# Allegro board 6089-119-RevA_41.brd (continued)
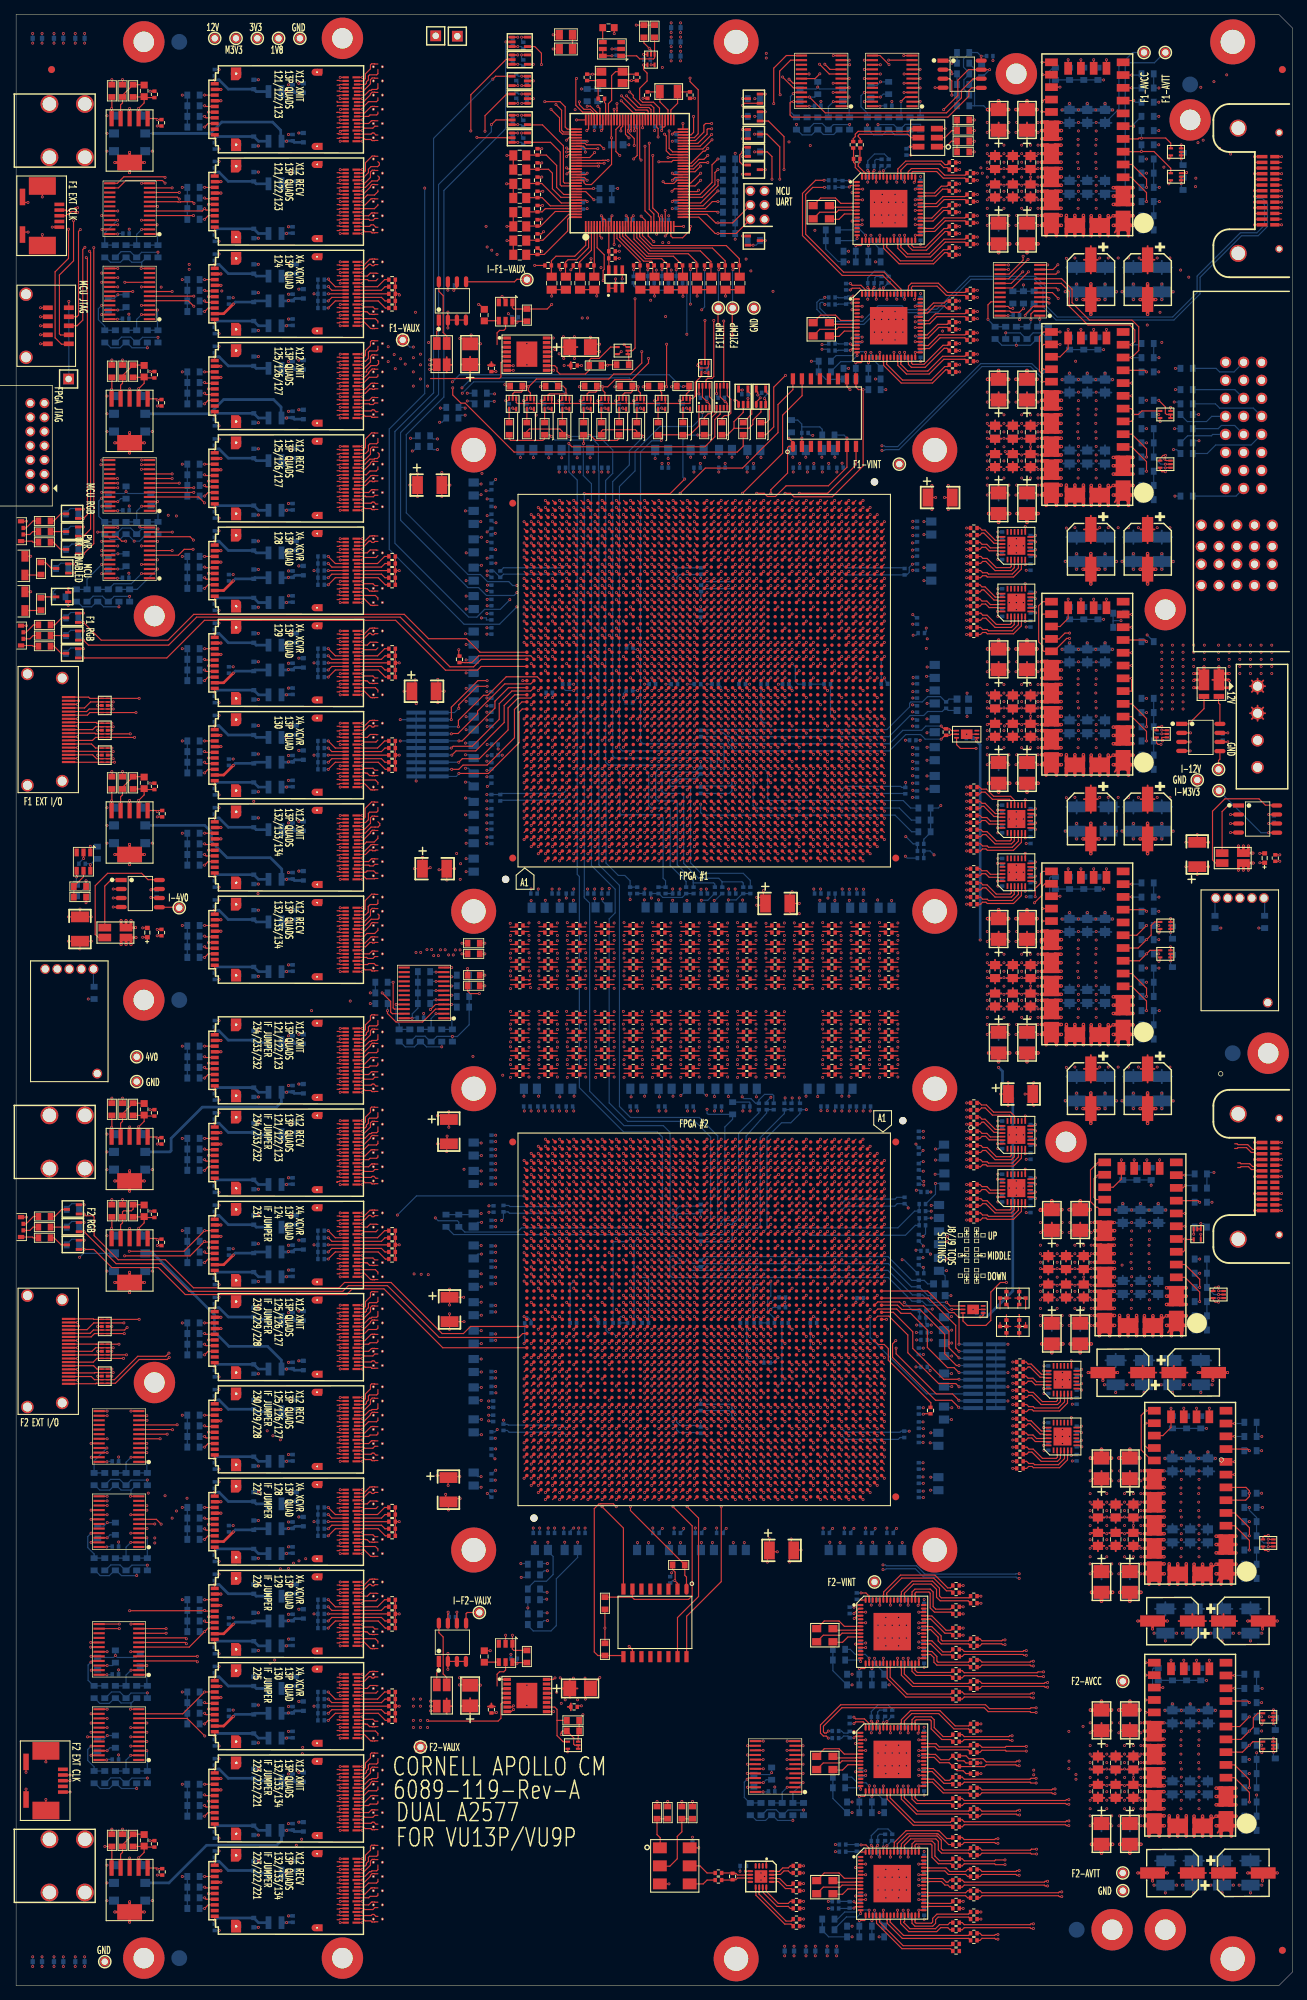
[diagram p0: board, top side]
## Routing (per net, layer and track width the routed paths; a pad name or vN(x,y) marks a point on that pad's centre or on a via; arc(x,y) is an arc through that point) (continued)
PF2_FF1_XMIT6: length 81.7
  TOP w0.165: U34A.B9 45.65,130.9 45.56,130.81 45.25,130.81 ; U77.BJ41 73.61,78.51
  SIG1 w0.083: 45.25,130.81 45.45,131.01 arc(45.48,131.03) 45.51,131.04 48.81,131.04 arc(49.15,131.1) 49.45,131.3 arc(49.49,131.33) 49.54,131.34 50.37,131.34 arc(51.42,131.13) 52.31,130.54 63.32,119.53 arc(64.48,117.79) 64.89,115.74 64.89,79.8 arc(65.04,79.07) 65.45,78.45 69.32,74.58 arc(70.07,74.08) 70.96,73.9 73.65,73.9 arc(74.04,74.06) 74.2,74.45 74.2,77.69 arc(74.08,77.99) 73.77,78.11 73.69,78.11 arc(73.63,78.14) 73.61,78.2 73.61,78.51
PF2_FF1_XMIT7: length 78.3
  TOP w0.165: 51,132.02 51,131.67 50.8,131.47 49.68,131.47 49.1,130.9 U34A.A9 48,130.9 ; U77.BG41 75.61,78.51
  SIG2 w0.083: 51,132.02 51.64,132.02 arc(51.77,132.04) 51.88,132.12 52,132.24 52.05,132.24 arc(52.08,132.25) 52.11,132.26 52.11,132.27 arc(52.14,132.29) 52.17,132.3 52.33,132.3 arc(53.05,132.15) 53.66,131.74 58.01,127.39 arc(58.51,126.64) 58.69,125.75 58.69,110.33 arc(58.9,109.29) 59.48,108.42 65.41,102.49 arc(65.84,101.85) 65.99,101.09 65.99,79.83 arc(66.07,79.44) 66.28,79.12 68.99,76.42 arc(69.57,76.03) 70.26,75.89 72.62,75.89 arc(73.04,76.06) 73.21,76.48 arc(73.21,76.49) 73.21,76.5 73.21,76.56 arc(73.31,76.8) 73.55,76.9 75.8,76.9 arc(76.12,77.03) 76.25,77.35 76.25,77.64 arc(76.11,77.97) 75.77,78.11 75.69,78.11 arc(75.63,78.14) 75.61,78.2 75.61,78.51
PF2_FF1_XMIT8: length 79.1
  TOP w0.165: U34A.B6 45.65,132.4 45.56,132.31 45.25,132.31 ; U77.BK43 72.61,76.51
  SIG1 w0.083: 72.61,76.51 72.61,76.2 arc(72.63,76.14) 72.69,76.11 72.77,76.11 arc(73.11,75.97) 73.25,75.64 73.25,75.35 arc(73.12,75.03) 72.8,74.9 71.46,74.9 arc(70.57,75.08) 69.82,75.58 66.24,79.16 arc(66.06,79.43) 66,79.74 66,118.45 arc(65.84,119.24) 65.4,119.9 52.88,132.42 arc(51.92,133.06) 50.78,133.29 50.19,133.29 arc(49.82,133.22) 49.5,133 arc(48.98,132.66) 48.37,132.54 45.51,132.54 arc(45.48,132.53) 45.45,132.51 45.25,132.31
PF2_FF1_XMIT9: length 74.6
  TOP w0.165: 51,134.02 51,133.37 50.83,133.2 50.17,133.2 50.04,133.07 49.82,133.07 49.15,132.4 U34A.A6 48.05,132.4 ; U77.BL41 71.61,78.51
  SIG2 w0.083: 71.61,78.51 71.61,78.2 arc(71.63,78.14) 71.69,78.11 71.77,78.11 arc(72.11,77.97) 72.25,77.64 72.25,77.35 arc(72.12,77.03) 71.8,76.9 71.06,76.9 arc(70.27,77.06) 69.6,77.5 67.61,79.49 arc(67.15,80.18) 66.99,80.99 66.99,103.38 arc(66.86,104.06) 66.47,104.63 60.66,110.44 arc(60.2,111.13) 60.04,111.94 60.04,126.5 arc(59.88,127.29) 59.43,127.97 53.72,133.68 arc(53.04,134.13) 52.23,134.3 52.17,134.3 arc(52.14,134.29) 52.11,134.27 52.11,134.26 arc(52.08,134.25) 52.05,134.24 52,134.24 51.88,134.12 arc(51.77,134.04) 51.64,134.02 51,134.02
PF2_FF1_XMIT10: length 76.8
  TOP w0.165: U77.BK39 72.61,80.51 ; U34A.B3 45.65,133.9 45.56,133.81 45.25,133.81
  SIG1 w0.083: 45.25,133.81 45.45,134.01 arc(45.48,134.03) 45.51,134.04 47.9,134.04 arc(48.9,134.23) 49.75,134.8 arc(50.18,135.09) 50.69,135.19 50.78,135.19 arc(51.92,134.96) 52.88,134.32 66.07,121.13 arc(66.76,120.1) 67,118.89 67,83.76 arc(67.16,82.97) 67.61,82.29 70.56,79.34 arc(71.05,79.02) 71.63,78.9 72.8,78.9 arc(73.12,79.03) 73.25,79.35 73.25,79.64 arc(73.11,79.97) 72.77,80.11 72.69,80.11 arc(72.63,80.14) 72.61,80.2 72.61,80.51
PF2_FF1_XMIT11: length 72.8
  TOP w0.165: U34A.A3 49.21,133.9 49.38,134.07 49.38,134.26 49.66,134.55 49.66,135.09 49.83,135.25 50.83,135.25 51,135.42 51,136.02 ; U77.BL37 71.61,82.51
  SIG2 w0.083: 71.61,82.51 71.61,82.2 arc(71.63,82.14) 71.69,82.11 71.77,82.11 arc(72.11,81.97) 72.25,81.64 72.25,81.35 arc(72.12,81.03) 71.8,80.9 71.53,80.9 arc(70.95,81.02) 70.46,81.34 68.68,83.12 arc(68.18,83.87) 68,84.76 68,104.07 arc(67.94,104.38) 67.77,104.63 65.39,107.01 62.37,110.03 arc(61.73,110.99) 61.5,112.13 61.5,126.91 arc(61.32,127.82) 60.8,128.6 53.66,135.74 arc(53.05,136.15) 52.33,136.3 52.17,136.3 arc(52.14,136.29) 52.11,136.27 52.11,136.26 arc(52.08,136.25) 52.05,136.24 52,136.24 51.88,136.12 arc(51.77,136.04) 51.64,136.02 51,136.02
PF2_FF2_RECV0: length 67.2
  TOP w0.165: U77.AF48 97.39,71.51 ; 51,74.02 50.57,74.02 50.54,73.99 50.19,73.99 50.16,74.02 50.14,74.02 50.01,74.15 49.2,74.15 48.95,74.4 U38A.A18
  SIG2 w0.083: 97.39,71.51 97.39,71.2 arc(97.42,71.14) 97.47,71.11 97.56,71.11 arc(97.83,71.02) 97.99,70.77 97.99,69.66 97.99,68.58 arc(97.77,67.48) 97.14,66.54 90.18,59.58 arc(89.43,59.08) 88.54,58.9 64.43,58.9 arc(63.75,59.03) 63.19,59.41 62.2,60.4 62.2,60.41 61.09,61.52 arc(60.69,62.11) 60.55,62.81 60.55,65.23 arc(60.34,66.26) 59.76,67.14 52.78,74.12 arc(52.68,74.2) 52.56,74.27 arc(52.52,74.29) 52.48,74.29 52.19,74.29 arc(52.15,74.29) 52.11,74.3 arc(52.07,74.29) 52.03,74.27 51.88,74.12 arc(51.77,74.04) 51.64,74.02 51,74.02
PF2_FF2_RECV1: length 68.2
  TOP w0.165: U38A.B18 45.65,74.4 45.56,74.31 45.25,74.31 ; U77.AG50 95.61,69.51
  SIG4 w0.083: 45.25,74.31 45.45,74.51 arc(45.48,74.53) 45.51,74.54 48.35,74.54 arc(48.92,74.42) 49.4,74.1 49.54,73.97 arc(50.23,73.5) 51.05,73.34 51.96,73.34 arc(52.51,73.23) 52.99,72.91 58.09,67.81 arc(58.76,66.8) 59,65.61 59,63.79 arc(59.27,62.41) 60.05,61.25 62.7,58.6 arc(63.48,58.08) 64.39,57.9 85.84,57.9 arc(86.91,58.11) 87.82,58.72 95.43,66.33 arc(96.04,67.24) 96.25,68.31 96.25,68.64 arc(96.11,68.97) 95.77,69.11 95.69,69.11 arc(95.63,69.14) 95.61,69.2 95.61,69.51
PF2_FF2_RECV2: length 70.5
  TOP w0.165: U77.AH48 94.61,71.51 ; U38A.A15 48.95,75.9 49.1,75.75 50.29,75.75 50.57,76.02 51,76.02
  SIG3 w0.083: 51,76.02 51.64,76.02 arc(51.77,76.04) 51.88,76.12 52,76.24 52.05,76.24 arc(52.08,76.25) 52.11,76.26 52.11,76.27 arc(52.14,76.29) 52.17,76.3 52.37,76.3 arc(53.01,76.17) 53.55,75.81 53.93,75.42 arc(54.35,74.79) 54.5,74.05 54.5,66.96 arc(54.79,65.52) 55.6,64.3 61.99,57.91 arc(63.11,57.16) 64.42,56.9 85.07,56.9 arc(85.93,57.07) 86.66,57.56 94.39,65.29 arc(95.03,66.24) 95.25,67.37 95.25,70.64 arc(95.11,70.97) 94.77,71.11 94.69,71.11 arc(94.63,71.14) 94.61,71.2 94.61,71.51
PF2_FF2_RECV3: length 66.5
  TOP w0.165: U38A.B15 45.65,75.9 45.56,75.81 45.25,75.81 ; U77.AJ50 93.61,69.51
  SIG4 w0.083: 93.61,69.51 93.61,69.2 arc(93.63,69.14) 93.69,69.11 93.77,69.11 arc(94.11,68.97) 94.25,68.64 94.25,67.95 arc(94.01,66.75) 93.33,65.73 87.32,59.72 arc(86.41,59.11) 85.34,58.9 64.4,58.9 arc(63.75,59.03) 63.2,59.4 62.17,60.43 60.79,61.81 arc(60.21,62.69) 60,63.72 60,66.02 arc(59.75,67.29) 59.02,68.38 52.7,74.7 arc(52.05,75.14) 51.27,75.29 50.39,75.29 arc(49.72,75.42) 49.15,75.8 arc(48.89,75.97) 48.59,76.04 45.51,76.04 arc(45.48,76.03) 45.45,76.01 45.25,75.81
PF2_FF2_RECV4: length 68.5
  TOP w0.165: U77.AK48 92.61,71.51 ; 51,78.02 51,77.77 50.83,77.61 49.9,77.61 49.69,77.4 U38A.A12 48.05,77.4
  SIG3 w0.083: 92.61,71.51 92.61,71.2 arc(92.63,71.14) 92.69,71.11 92.77,71.11 arc(93.11,70.97) 93.25,70.64 93.25,67.85 arc(93.12,67.2) 92.76,66.66 84.79,58.69 arc(83.91,58.11) 82.88,57.9 64.49,57.9 arc(63.48,58.1) 62.63,58.67 62.63,58.67 56.27,65.03 arc(55.7,65.88) 55.5,66.89 55.5,75.04 arc(55.38,75.65) 55.03,76.17 53.4,77.81 arc(52.86,78.17) 52.22,78.3 52.17,78.3 arc(52.14,78.29) 52.11,78.27 52.11,78.26 arc(52.08,78.25) 52.05,78.24 52,78.24 51.88,78.12 arc(51.77,78.04) 51.64,78.02 51,78.02
PF2_FF2_RECV5: length 62.1
  TOP w0.165: 45.25,77.31 45.56,77.31 45.65,77.4 U38A.B12 ; U77.AL50 91.61,69.51
  SIG4 w0.083: 91.61,69.51 91.61,69.2 arc(91.63,69.14) 91.69,69.11 91.77,69.11 arc(92.11,68.97) 92.25,68.64 92.25,67.18 arc(92.06,66.23) 91.53,65.43 86.66,60.56 arc(85.93,60.07) 85.07,59.9 70.22,59.9 arc(69.09,60.12) 68.14,60.76 66.62,62.28 66.62,62.28 65.38,63.52 65.38,63.52 65.32,63.58 52.25,76.65 arc(51.6,77.09) 50.82,77.24 49.61,77.24 arc(49.34,77.3) 49.1,77.45 arc(49.01,77.51) 48.9,77.54 45.51,77.54 arc(45.48,77.53) 45.45,77.51 45.25,77.31
PF2_FF2_RECV6: length 67.5
  TOP w0.165: U77.AM48 90.61,71.51 ; 48,78.9 U38A.A9 49.1,78.9 49.68,79.47 50.8,79.47 51,79.67 51,80.02
  SIG3 w0.083: 90.61,71.51 90.61,71.2 arc(90.63,71.14) 90.69,71.11 90.77,71.11 arc(91.11,70.97) 91.25,70.64 91.25,67.68 arc(91.06,66.73) 90.53,65.93 84.22,59.62 82.64,58.93 82.6,58.9 64.38,58.9 64.35,58.88 64.3,58.9 64.25,58.9 64.22,58.93 63.41,59.24 63.36,59.24 63.33,59.27 63.3,59.28 63.28,59.32 62.23,60.37 62.14,60.46 59.69,62.91 58.08,64.52 57.27,65.33 arc(56.8,65.97) 56.54,66.73 56.5,66.75 56.5,75.43 arc(56.29,76.47) 55.7,77.35 53.15,79.9 arc(52.72,80.19) 52.2,80.3 52.17,80.3 arc(52.14,80.29) 52.11,80.27 52.11,80.26 arc(52.08,80.25) 52.05,80.24 52,80.24 51.88,80.12 arc(51.77,80.04) 51.64,80.02 51,80.02
PF2_FF2_RECV7: length 60.7
  TOP w0.165: 45.25,78.81 45.56,78.81 45.65,78.9 U38A.B9 ; U77.AN50 89.61,69.51
  SIG4 w0.083: 89.61,69.51 89.61,69.2 arc(89.63,69.14) 89.69,69.11 89.77,69.11 arc(90.11,68.97) 90.25,68.64 90.25,67 arc(90,65.75) 89.29,64.69 86.32,61.72 arc(85.41,61.11) 84.34,60.9 70.39,60.9 arc(69.57,61.06) 68.87,61.53 52.81,77.59 arc(52.69,77.77) 52.65,77.98 52.65,77.99 arc(52.6,78.23) 52.46,78.44 51.9,79.01 arc(51.53,79.25) 51.09,79.34 49.54,79.34 arc(49.49,79.33) 49.45,79.3 arc(49.15,79.1) 48.81,79.04 45.51,79.04 arc(45.48,79.03) 45.45,79.01 45.25,78.81
PF2_FF2_RECV8: length 62.7
  TOP w0.165: 48.05,80.4 U38A.A6 49.15,80.4 49.82,81.07 50.04,81.07 50.17,81.2 50.83,81.2 51,81.37 51,82.02 ; U77.AP48 88.61,71.51
  SIG3 w0.083: 88.61,71.51 88.61,71.2 arc(88.63,71.14) 88.69,71.11 88.77,71.11 arc(89.11,70.97) 89.25,70.64 89.25,68.91 arc(89.02,67.75) 88.36,66.76 82.06,60.46 arc(81.44,60.05) 80.71,59.9 70.38,59.9 arc(69.11,60.15) 68.03,60.87 66.62,62.28 65.38,63.52 58.1,70.8 arc(57.66,71.47) 57.5,72.26 57.5,76.8 arc(57.35,77.54) 56.93,78.17 53.13,81.97 arc(52.77,82.21) 52.35,82.3 52.17,82.3 arc(52.14,82.29) 52.11,82.27 52.11,82.26 arc(52.08,82.25) 52.05,82.24 52,82.24 51.88,82.12 arc(51.77,82.04) 51.64,82.02 51,82.02
PF2_FF2_RECV9: length 59.5
  TOP w0.165: U38A.B6 45.65,80.4 45.56,80.31 45.25,80.31 ; U77.AR50 87.61,69.51
  SIG4 w0.083: 45.25,80.31 45.45,80.51 arc(45.48,80.53) 45.51,80.54 48.37,80.54 arc(48.98,80.66) 49.5,81 arc(49.82,81.22) 50.19,81.29 51.4,81.29 arc(52.01,81.17) 52.53,80.82 53.15,80.2 arc(53.41,79.81) 53.5,79.36 53.5,78.86 arc(53.59,78.44) 53.83,78.07 68.97,62.93 arc(70.11,62.17) 71.45,61.9 83.84,61.9 arc(84.91,62.11) 85.82,62.72 87.43,64.33 arc(88.04,65.24) 88.25,66.31 88.25,68.64 arc(88.11,68.97) 87.77,69.11 87.69,69.11 arc(87.63,69.14) 87.61,69.2 87.61,69.51
PF2_FF2_RECV10: length 62
  TOP w0.165: U77.AT48 86.61,71.51 ; 48,81.9 U38A.A3 49.21,81.9 49.38,82.07 49.38,82.26 49.66,82.55 49.66,83.09 49.83,83.25 50.83,83.25 51,83.42 51,84.02
  SIG3 w0.083: 86.61,71.51 86.61,71.2 arc(86.63,71.14) 86.69,71.11 86.77,71.11 arc(87.11,70.97) 87.25,70.64 87.25,67.81 arc(87.13,67.2) 86.79,66.69 81.56,61.46 arc(80.94,61.05) 80.21,60.9 71.21,60.9 arc(69.63,61.21) 68.3,62.1 58.94,71.46 arc(58.61,71.95) 58.5,72.53 58.5,77.76 arc(58.34,78.59) 57.87,79.29 53.18,83.97 arc(52.82,84.21) 52.4,84.3 52.17,84.3 arc(52.14,84.29) 52.11,84.27 52.11,84.26 arc(52.08,84.25) 52.05,84.24 52,84.24 51.88,84.12 arc(51.77,84.04) 51.64,84.02 51,84.02
PF2_FF2_RECV11: length 58.3
  TOP w0.165: U77.AU50 85.61,69.51 ; 45.25,81.81 45.56,81.81 45.65,81.9 U38A.B3
  SIG4 w0.083: 85.61,69.51 85.61,69.2 arc(85.63,69.14) 85.69,69.11 85.77,69.11 arc(86.11,68.97) 86.25,68.64 86.25,65.58 arc(86.08,64.72) 85.59,63.99 85.16,63.56 arc(84.43,63.07) 83.57,62.9 71.49,62.9 arc(70.58,63.08) 69.8,63.6 54.83,78.57 arc(54.59,78.94) 54.5,79.36 54.5,80.51 arc(54.41,80.96) 54.15,81.35 52.87,82.63 arc(52.25,83.04) 51.51,83.19 50.69,83.19 arc(50.18,83.09) 49.75,82.8 arc(48.9,82.23) 47.9,82.04 45.51,82.04 arc(45.48,82.03) 45.45,82.01 45.25,81.81
PF2_FF2_XMIT0: length 87.8
  TOP w0.165: U37A.B18 45.65,87.4 45.56,87.31 45.25,87.31 ; U77.AF43 97.39,76.51
  SIG1 w0.083: 97.39,76.51 97.39,76.2 arc(97.42,76.14) 97.47,76.11 97.56,76.11 arc(97.87,75.98) 98,75.67 98,69 arc(97.71,67.52) 96.87,66.27 90.2,59.6 arc(89.42,59.08) 88.5,58.9 64.33,58.9 arc(63.75,59.02) 63.25,59.35 55.07,67.53 arc(53.87,69.32) 53.45,71.44 53.45,84.14 arc(53.33,84.75) 52.99,85.26 52.45,85.8 arc(51.85,86.2) 51.15,86.34 51.05,86.34 arc(50.23,86.5) 49.54,86.97 49.4,87.1 arc(48.92,87.42) 48.35,87.54 45.51,87.54 arc(45.48,87.53) 45.45,87.51 45.25,87.31
PF2_FF2_XMIT1: length 77.1
  TOP w0.165: 51,87.02 50.57,87.02 50.54,86.99 50.19,86.99 50.16,87.02 50.14,87.02 50.01,87.15 49.2,87.15 48.95,87.4 U37A.A18 ; U77.AG45 95.61,74.51
  SIG2 w0.083: 95.61,74.51 95.61,74.2 arc(95.63,74.14) 95.69,74.11 95.77,74.11 arc(96.11,73.97) 96.25,73.64 96.25,68.01 arc(96.09,67.22) 95.64,66.54 89.79,60.69 89.79,60.69 arc(88.86,60.07) 87.76,59.85 70.52,59.85 arc(69.17,60.12) 68.01,60.89 66.81,62.1 66.75,62.16 66.69,62.22 66.62,62.28 65.38,63.52 55.11,73.79 arc(54.65,74.48) 54.49,75.29 54.49,85.02 arc(54.39,85.52) 54.11,85.94 53.07,86.98 arc(52.72,87.21) 52.3,87.3 52.17,87.3 arc(52.14,87.29) 52.11,87.27 52.11,87.26 arc(52.08,87.25) 52.05,87.24 52,87.24 51.88,87.12 arc(51.77,87.04) 51.64,87.02 51,87.02
PF2_FF2_XMIT2: length 80.6
  TOP w0.165: U77.AH43 94.61,76.51 ; U37A.B15 45.65,88.9 45.56,88.81 45.25,88.81
  SIG1 w0.083: 94.61,76.51 94.61,76.2 arc(94.63,76.14) 94.69,76.11 94.77,76.11 arc(95.11,75.97) 95.25,75.64 95.25,67.44 arc(95.01,66.25) 94.34,65.24 92.87,63.77 arc(91.91,63.13) 90.77,62.9 66.82,62.9 arc(66.07,63.05) 65.43,63.47 65.35,63.56 65.34,63.56 55.44,73.46 arc(54.74,74.5) 54.5,75.73 54.5,84.47 arc(54.3,85.47) 53.74,86.31 52.4,87.65 arc(51.69,88.12) 50.86,88.29 50.39,88.29 arc(49.72,88.42) 49.15,88.8 arc(48.89,88.97) 48.59,89.04 45.51,89.04 arc(45.48,89.03) 45.45,89.01 45.25,88.81
PF2_FF2_XMIT3: length 75.6
  TOP w0.165: 51,89.02 50.57,89.02 50.29,88.75 49.1,88.75 48.95,88.9 U37A.A15 ; U77.AJ45 93.61,74.51
  SIG2 w0.083: 51,89.02 51.64,89.02 arc(51.77,89.04) 51.88,89.12 52,89.24 52.05,89.24 arc(52.08,89.25) 52.11,89.26 52.11,89.27 arc(52.14,89.29) 52.17,89.3 52.3,89.3 arc(52.72,89.21) 53.07,88.98 54.88,87.17 arc(55.33,86.49) 55.49,85.7 55.49,75.79 arc(55.65,74.98) 56.11,74.29 68.53,61.87 arc(69.61,61.15) 70.88,60.9 87.27,60.9 arc(88.41,61.13) 89.37,61.77 93.41,65.81 93.41,65.81 arc(94.03,66.74) 94.25,67.84 94.25,73.64 arc(94.11,73.97) 93.77,74.11 93.69,74.11 arc(93.63,74.14) 93.61,74.2 93.61,74.51
PF2_FF2_XMIT4: length 78.3
  TOP w0.165: U77.AK43 92.61,76.51 ; U37A.B12 45.65,90.4 45.56,90.31 45.25,90.31
  SIG1 w0.083: 92.61,76.51 92.61,76.2 arc(92.63,76.14) 92.69,76.11 92.77,76.11 arc(93.11,75.97) 93.25,75.64 93.25,67.91 arc(93.1,67.17) 92.68,66.53 90.39,64.24 arc(90.01,63.99) 89.56,63.9 67.36,63.9 arc(66.57,64.06) 65.89,64.51 56.44,73.96 arc(55.74,75) 55.5,76.23 55.5,85.47 arc(55.3,86.47) 54.73,87.32 52.52,89.53 arc(51.74,90.06) 50.81,90.24 49.61,90.24 arc(49.34,90.3) 49.1,90.45 arc(49.01,90.51) 48.9,90.54 45.51,90.54 arc(45.48,90.53) 45.45,90.51 45.25,90.31
PF2_FF2_XMIT5: length 73.6
  TOP w0.165: 51,91.02 51,90.77 50.83,90.61 49.9,90.61 49.69,90.4 U37A.A12 48.05,90.4 ; U77.AL45 91.61,74.51
  SIG2 w0.083: 91.61,74.51 91.61,74.2 arc(91.63,74.14) 91.69,74.11 91.77,74.11 arc(92.11,73.97) 92.25,73.64 92.25,68.32 arc(92.13,67.7) 91.78,67.18 87.51,62.91 arc(86.39,62.16) 85.08,61.9 71.24,61.9 arc(70.1,62.13) 69.13,62.78 57.7,74.21 arc(57.22,74.8) 56.87,75.48 56.72,75.85 arc(56.55,76.44) 56.49,77.05 56.49,86.85 arc(56.33,87.64) 55.88,88.32 53.39,90.81 arc(52.85,91.17) 52.22,91.3 52.17,91.3 arc(52.14,91.29) 52.11,91.27 52.11,91.26 arc(52.08,91.25) 52.05,91.24 52,91.24 51.88,91.12 arc(51.77,91.04) 51.64,91.02 51,91.02
PF2_FF2_XMIT6: length 76.8
  TOP w0.165: U77.AM43 90.61,76.51 ; 45.25,91.81 45.56,91.81 45.65,91.9 U37A.B9
  SIG1 w0.083: 90.61,76.51 90.61,76.2 arc(90.63,76.14) 90.69,76.11 90.77,76.11 arc(91.11,75.97) 91.25,75.64 91.25,67.7 arc(91.06,66.73) 90.51,65.91 90.14,65.54 arc(89.43,65.07) 88.6,64.9 67.86,64.9 arc(67.07,65.06) 66.39,65.51 57.6,74.3 arc(56.79,75.52) 56.5,76.96 56.5,86.66 arc(56.32,87.58) 55.8,88.36 52.52,91.63 arc(51.74,92.16) 50.81,92.34 49.54,92.34 arc(49.49,92.33) 49.45,92.3 arc(49.15,92.1) 48.81,92.04 45.51,92.04 arc(45.48,92.03) 45.45,92.01 45.25,91.81
PF2_FF2_XMIT7: length 72.1
  TOP w0.165: 48,91.9 U37A.A9 49.1,91.9 49.68,92.47 50.8,92.47 51,92.67 51,93.02 ; U77.AN45 89.61,74.51
  SIG2 w0.083: 51,93.02 51.64,93.02 arc(51.77,93.04) 51.88,93.12 52,93.24 52.05,93.24 arc(52.08,93.25) 52.11,93.26 52.11,93.27 arc(52.14,93.29) 52.17,93.3 52.55,93.3 arc(52.97,93.21) 53.32,92.98 56.88,89.42 arc(57.33,88.74) 57.49,87.95 57.49,77.45 arc(57.54,76.94) 57.68,76.44 57.77,76.22 arc(58.2,75.37) 58.79,74.62 58.79,74.62 69.49,63.91 arc(70.61,63.16) 71.94,62.9 83.92,62.9 arc(85.1,63.13) 86.1,63.8 89.59,67.3 arc(90.09,68.04) 90.26,68.91 90.26,73.71 90.24,73.73 arc(90.07,74.01) 89.77,74.11 89.69,74.11 arc(89.63,74.14) 89.61,74.2 89.61,74.51
PF2_FF2_XMIT8: length 74.1
  TOP w0.165: U77.AP43 88.61,76.51 ; U37A.B6 45.65,93.4 45.56,93.31 45.25,93.31
  SIG1 w0.083: 45.25,93.31 45.45,93.51 arc(45.48,93.53) 45.51,93.54 48.37,93.54 arc(48.98,93.66) 49.5,94 arc(49.82,94.22) 50.19,94.29 50.72,94.29 arc(51.87,94.06) 52.84,93.41 56.8,89.46 arc(57.32,88.68) 57.5,87.76 57.5,77.69 arc(57.83,76.04) 58.77,74.63 66.25,67.15 arc(66.76,66.81) 67.36,66.69 87.43,66.69 arc(87.48,66.69) 87.54,66.7 arc(88.22,66.88) 88.82,67.23 arc(88.87,67.27) 88.91,67.31 arc(89.16,67.71) 89.25,68.18 89.25,75.64 arc(89.11,75.97) 88.77,76.11 88.69,76.11 arc(88.63,76.14) 88.61,76.2 88.61,76.51
PF2_FF2_XMIT9: length 70.7
  TOP w0.165: 51,95.02 51,94.37 50.83,94.2 50.17,94.2 50.04,94.07 49.82,94.07 49.15,93.4 U37A.A6 48.05,93.4 ; U77.AR45 87.61,74.51
  SIG2 w0.083: 51,95.02 51.64,95.02 arc(51.77,95.04) 51.88,95.12 52,95.24 52.05,95.24 arc(52.08,95.25) 52.11,95.26 52.11,95.27 arc(52.14,95.29) 52.17,95.3 52.3,95.3 arc(52.72,95.21) 53.07,94.98 58.04,90.01 arc(58.37,89.51) 58.49,88.93 58.49,77.2 arc(58.63,76.47) 59.04,75.86 70.2,64.71 arc(71.09,64.11) 72.15,63.9 83.02,63.9 85.07,64.71 87.76,67.41 arc(88.12,67.95) 88.25,68.59 88.25,73.64 arc(88.11,73.97) 87.77,74.11 87.69,74.11 arc(87.63,74.14) 87.61,74.2 87.61,74.51
PF2_FF2_XMIT10: length 71.8
  TOP w0.165: U77.AT43 86.61,76.51 ; 45.25,94.81 45.56,94.81 45.65,94.9 U37A.B3
  SIG1 w0.083: 86.61,76.51 86.61,76.2 arc(86.63,76.14) 86.69,76.11 86.77,76.11 arc(87.11,75.97) 87.25,75.64 87.25,68.65 arc(87.19,68.37) 87.04,68.14 87.01,68.11 arc(86.78,67.96) 86.5,67.9 67.73,67.9 arc(67.06,68.03) 66.49,68.41 59.6,75.3 arc(58.79,76.52) 58.5,77.96 58.5,88.47 arc(58.3,89.47) 57.73,90.32 52.64,95.41 arc(51.78,95.99) 50.76,96.19 50.69,96.19 arc(50.18,96.09) 49.75,95.8 arc(48.9,95.23) 47.9,95.04 45.51,95.04 arc(45.48,95.03) 45.45,95.01 45.25,94.81
PF2_FF2_XMIT11: length 69.7
  TOP w0.165: 48,94.9 U37A.A3 49.21,94.9 49.38,95.07 49.38,95.26 49.66,95.55 49.66,96.09 49.83,96.25 50.83,96.25 51,96.42 51,97.02 ; U77.AU45 85.61,74.51
  SIG2 w0.083: 51,97.02 51.64,97.02 arc(51.77,97.04) 51.88,97.12 52,97.24 52.05,97.24 arc(52.08,97.25) 52.11,97.26 52.11,97.27 arc(52.14,97.29) 52.17,97.3 52.2,97.3 arc(52.52,97.23) 52.79,97.05 59.04,90.8 arc(59.38,90.3) 59.5,89.7 59.5,77.99 arc(59.7,76.99) 60.27,76.14 70.53,65.87 arc(71.61,65.15) 72.88,64.9 82.41,64.9 arc(83.42,65.1) 84.27,65.67 85.61,67.01 arc(86.08,67.72) 86.25,68.55 86.25,73.64 arc(86.11,73.97) 85.77,74.11 85.69,74.11 arc(85.63,74.14) 85.61,74.2 85.61,74.51
PF2_FF3_RECV0: length 126.2
  TOP w0.165: U43A.A18 48.95,9.4 49.2,9.15 50.01,9.15 50.14,9.02 50.16,9.02 50.19,8.99 50.54,8.99 50.57,9.02 51,9.02 ; U77.C32 120.39,87.51
  SIG4 w0.083: 120.39,87.51 120.39,87.2 arc(120.42,87.14) 120.47,87.11 120.56,87.11 arc(120.72,87.18) 120.79,87.35 120.79,87.56 arc(120.83,87.77) 120.95,87.95 arc(121.19,88.1) 121.46,88.16 122.6,88.16 arc(123.15,88.05) 123.61,87.74 123.76,87.59 arc(124.2,86.94) 124.35,86.17 124.35,68.66 arc(124,66.9) 123,65.4 67.56,9.96 arc(66.82,9.47) 65.95,9.3 52.17,9.3 arc(52.14,9.29) 52.11,9.27 52.11,9.26 arc(52.08,9.25) 52.05,9.24 52,9.24 51.88,9.12 arc(51.77,9.04) 51.64,9.02 51,9.02
PF2_FF3_RECV1: length 139.8
  TOP w0.165: U77.B34 121.39,85.51 ; 45.25,9.31 45.56,9.31 45.65,9.4 U43A.B18
  SIG4 w0.083: 121.39,85.51 121.39,85.2 arc(121.42,85.14) 121.47,85.11 121.56,85.11 arc(121.72,85.18) 121.79,85.35 121.79,85.7 arc(121.73,85.83) 121.6,85.89 120.2,85.89 arc(120.07,85.92) 119.97,85.99 119.9,86.05 arc(119.82,86.18) 119.79,86.32 119.79,88.85 arc(119.88,89.07) 120.1,89.16 122.92,89.16 arc(123.68,89.01) 124.32,88.58 124.78,88.12 arc(125.31,87.32) 125.5,86.37 125.5,68.18 arc(125.17,66.54) 124.24,65.14 68.12,9.02 arc(67.37,8.52) 66.49,8.34 51.05,8.34 arc(50.23,8.5) 49.54,8.97 49.4,9.1 arc(48.92,9.42) 48.35,9.54 45.51,9.54 arc(45.48,9.53) 45.45,9.51 45.25,9.31
PF2_FF3_RECV2: length 119.5
  TOP w0.165: U77.A32 122.39,87.51 ; 51,11.02 50.57,11.02 50.29,10.74 49.1,10.74 48.95,10.9 U43A.A15
  SIG4 w0.083: 51,11.02 51.71,11.02 arc(51.77,11.03) 51.83,11.07 51.95,11.19 52.02,11.19 arc(52.05,11.2) 52.08,11.21 52.14,11.27 arc(52.16,11.29) 52.2,11.3 64.95,11.3 arc(65.82,11.47) 66.56,11.96 119.83,65.23 arc(120.7,66.54) 121.01,68.08 121.01,75.71 arc(121.08,75.88) 121.25,75.95 122.55,75.95 arc(122.87,76.08) 123,76.4 123,86.7 arc(122.88,86.99) 122.59,87.11 122.47,87.11 arc(122.42,87.14) 122.39,87.2 122.39,87.51
PF2_FF3_RECV3: length 110.1
  TOP w0.165: U43A.B15 45.65,10.9 45.56,10.81 45.25,10.81 ; U77.A46 122.39,73.51
  SIG4 w0.083: 122.39,73.51 122.39,73.2 arc(122.42,73.14) 122.47,73.11 122.56,73.11 arc(122.98,72.96) 123.2,72.56 123.2,69.26 arc(122.81,67.27) 121.68,65.58 67.23,11.13 arc(66.3,10.51) 65.2,10.29 50.39,10.29 arc(49.72,10.42) 49.15,10.8 arc(48.89,10.97) 48.59,11.04 45.51,11.04 arc(45.48,11.03) 45.45,11.01 45.25,10.81
PF2_FF3_RECV4: length 102.3
  TOP w0.165: U77.C46 120.39,73.51 ; 48.05,12.4 U43A.A12 49.69,12.4 49.9,12.61 50.83,12.61 51,12.77 51,13.02
  SIG3 w0.083: 120.39,73.51 120.39,73.2 arc(120.42,73.14) 120.47,73.11 120.56,73.11 arc(120.87,72.98) 121,72.67 121,68.6 arc(120.87,67.95) 120.51,67.41 68.05,14.95 arc(66.22,13.72) 64.06,13.3 52.17,13.3 arc(52.14,13.29) 52.11,13.27 52.11,13.26 arc(52.08,13.25) 52.05,13.24 52,13.24 51.88,13.12 arc(51.77,13.04) 51.64,13.02 51,13.02
PF2_FF3_RECV5: length 106.8
  TOP w0.165: 45.25,12.31 45.56,12.31 45.65,12.4 U43A.B12 ; U77.E46 118.39,73.51
  SIG4 w0.083: 45.25,12.31 45.45,12.51 arc(45.48,12.53) 45.51,12.54 48.9,12.54 arc(49.01,12.51) 49.1,12.45 arc(49.34,12.3) 49.61,12.24 64.39,12.24 arc(65.27,12.42) 66.02,12.92 119,65.9 arc(119.74,67.01) 120,68.31 120,70.7 arc(119.87,71.02) 119.55,71.15 119.25,71.15 arc(119.07,71.22) 119,71.4 119,72.67 arc(118.87,72.98) 118.56,73.11 118.47,73.11 arc(118.42,73.14) 118.39,73.2 118.39,73.51
PF2_FF3_RECV6: length 98.6
  TOP w0.165: U77.D48 119.39,71.51 ; 48,13.9 U43A.A9 49.1,13.9 49.68,14.47 50.8,14.47 51,14.67 51,15.02
  SIG3 w0.083: 119.39,71.51 119.39,71.2 arc(119.42,71.14) 119.47,71.11 119.56,71.11 arc(119.87,70.98) 120,70.67 120,70.3 120.01,70.29 120.01,68.63 arc(119.96,68.36) 119.8,68.13 68.71,17.04 arc(66.78,15.75) 64.5,15.3 52.17,15.3 arc(52.14,15.29) 52.11,15.27 52.11,15.26 arc(52.08,15.25) 52.05,15.24 52,15.24 51.88,15.12 arc(51.77,15.04) 51.64,15.02 51,15.02
PF2_FF3_RECV7: length 99.8
  TOP w0.165: 45.25,13.81 45.56,13.81 45.65,13.9 U43A.B9 ; U77.E50 118.39,69.51
  SIG4 w0.083: 45.25,13.81 45.45,14.01 arc(45.48,14.03) 45.51,14.04 48.81,14.04 arc(49.15,14.1) 49.45,14.3 arc(49.49,14.33) 49.54,14.34 64.64,14.34 arc(65.7,14.55) 66.6,15.15 118.21,66.76 arc(118.79,67.64) 119,68.67 arc(118.88,68.97) 118.59,69.11 arc(118.45,69.18) 118.39,69.33 118.39,69.51
PF2_FF3_RECV8: length 96.3
  TOP w0.165: 51,17.02 51,16.37 50.83,16.2 50.17,16.2 50.04,16.07 49.82,16.07 49.15,15.4 U43A.A6 48.05,15.4 ; U77.F48 117.39,71.51
  SIG3 w0.083: 117.39,71.51 117.39,71.2 arc(117.42,71.14) 117.47,71.11 117.56,71.11 arc(117.87,70.98) 118,70.67 118,68.46 arc(117.9,67.94) 117.6,67.5 69.05,18.95 arc(67.22,17.72) 65.06,17.3 52.17,17.3 arc(52.14,17.29) 52.11,17.27 52.11,17.26 arc(52.08,17.25) 52.05,17.24 52,17.24 51.88,17.12 arc(51.77,17.04) 51.64,17.02 51,17.02
PF2_FF3_RECV9: length 97.5
  TOP w0.165: U43A.B6 45.65,15.4 45.56,15.31 45.25,15.31 ; U77.G50 116.39,69.51
  SIG4 w0.083: 116.39,69.51 116.39,69.2 arc(116.42,69.14) 116.47,69.11 116.56,69.11 arc(116.87,68.98) 117,68.67 117,68.39 arc(116.73,67.01) 115.95,65.85 67.13,17.03 arc(66.31,16.48) 65.34,16.29 50.2,16.29 arc(49.82,16.22) 49.5,16 arc(48.98,15.66) 48.37,15.54 45.51,15.54 arc(45.48,15.53) 45.45,15.51 45.25,15.31
PF2_FF3_RECV10: length 94.4
  TOP w0.165: 48,16.9 U43A.A3 49.21,16.9 49.38,17.07 49.38,17.26 49.66,17.55 49.66,18.09 49.83,18.25 50.83,18.25 51,18.42 51,19.02 ; U77.H48 115.39,71.51
  SIG3 w0.083: 51,19.02 51.64,19.02 arc(51.77,19.04) 51.88,19.12 52,19.24 52.05,19.24 arc(52.08,19.25) 52.11,19.26 52.11,19.27 arc(52.14,19.29) 52.17,19.3 66.06,19.3 arc(67.76,19.63) 69.19,20.59 115.37,66.77 arc(115.84,67.47) 116,68.29 116,70.67 arc(115.87,70.98) 115.56,71.11 115.47,71.11 arc(115.42,71.14) 115.39,71.2 115.39,71.51
PF2_FF3_RECV11: length 95.1
  TOP w0.165: U77.J50 114.39,69.51 ; 45.25,16.81 45.56,16.81 45.65,16.9 U43A.B3
  SIG4 w0.083: 114.39,69.51 114.39,69.2 arc(114.42,69.14) 114.47,69.11 114.56,69.11 arc(114.87,68.98) 115,68.67 115,68.3 115.01,68.29 115.01,68.18 arc(114.72,66.73) 113.9,65.5 67.17,18.77 arc(66.53,18.34) 65.77,18.19 51.89,18.19 50.69,18.19 arc(50.18,18.09) 49.75,17.8 arc(48.9,17.23) 47.9,17.04 45.51,17.04 arc(45.48,17.03) 45.45,17.01 45.25,16.81